# Altium PCB Moter_Control_2021-08-13.pcbdoc (part 1 of 2) (continued)
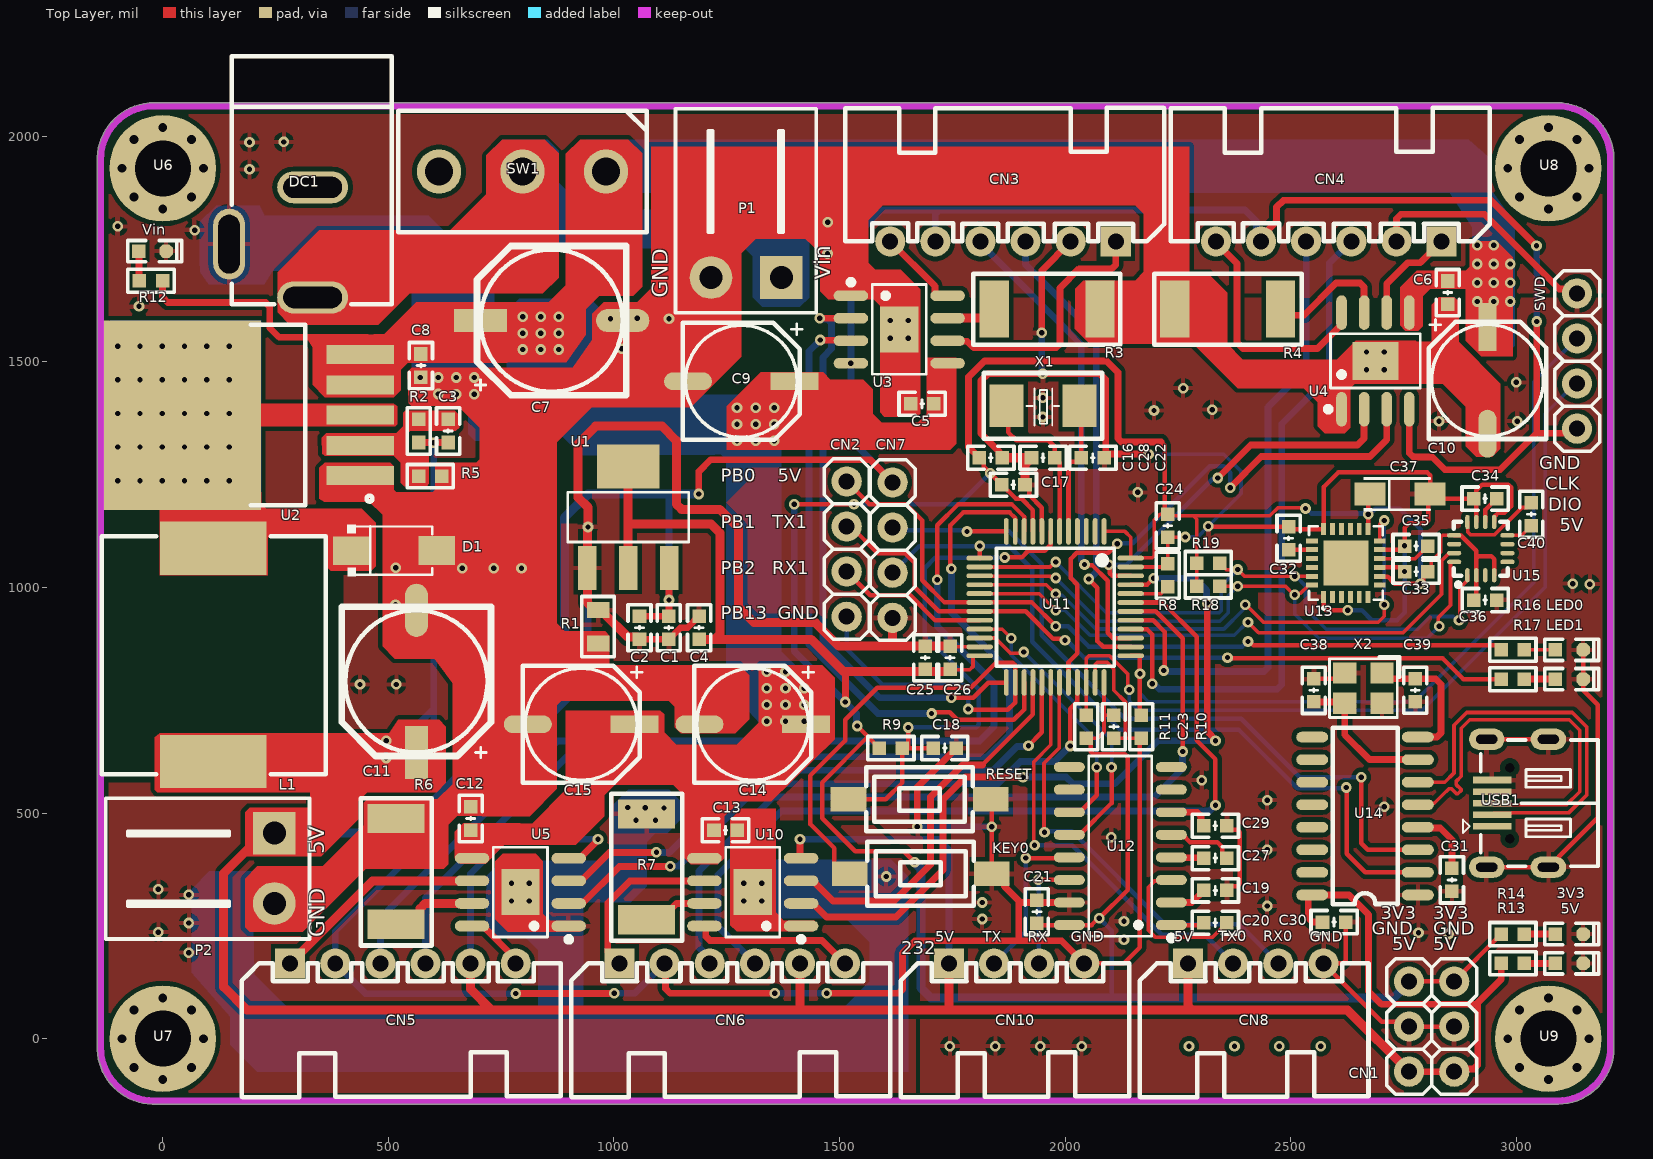
[diagram p0: Top Layer view]
## Part data
3V3 5V LED0 LED1 Vin: BOM_JLCPCB Part Class="Basic Part", BOM_Manufacturer=EVERLIGHT, BOM_Manufacturer Part=19-217/BHC-ZL1M2RY/3T, BOM_Supplier=LCSC, BOM_Supplier Part=C72041, spicePre=L, spiceSymbolName=19-217/BHC-ZL1M2RY/3T
C1 C18 C19 C20 C21 C23 C24 C25 C27 C29 C30 C31 C33 C35 C36: BOM_JLCPCB Part Class="Basic Part", BOM_Manufacturer=YAGEO, BOM_Manufacturer Part=CC0603KRX7R9BB104, BOM_Supplier=LCSC, BOM_Supplier Part=C14663, nameAlias=Capacitance, spicePre=C, spiceSymbolName=CC0603KRX7R9BB104
C2 C4: BOM_JLCPCB Part Class="Extended Part", BOM_Manufacturer=SAMSUNG, BOM_Manufacturer Part=CL10A106MA8NRNC, BOM_Supplier=LCSC, BOM_Supplier Part=C96446, nameAlias=Capacitance, spicePre=C, spiceSymbolName=CL10A106MA8NRNC
C3: BOM_JLCPCB Part Class="Basic Part", BOM_Manufacturer=SAMSUNG, BOM_Manufacturer Part=CL10B333KB8NNNC, BOM_Supplier=LCSC, BOM_Supplier Part=C21117, nameAlias=Capacitance, spicePre=C, spiceSymbolName=CL10B333KB8NNNC
C5 C6 C12 C13 C40: BOM_JLCPCB Part Class="Basic Part", BOM_Manufacturer=SAMSUNG, BOM_Manufacturer Part=CL10B224KA8NNNC, BOM_Supplier=LCSC, BOM_Supplier Part=C21120, nameAlias=Capacitance, spicePre=C, spiceSymbolName=CL10B224KA8NNNC
C7 C11: library part 470uF, BOM_JLCPCB Part Class="Extended Part", BOM_Manufacturer=ROQANG, BOM_Manufacturer Part=RVT1H471M1213, BOM_Supplier=LCSC, BOM_Supplier Part=C90272, nameAlias=Capacitance, spicePre=C, spiceSymbolName=RVT1H471M1213
C8 C16: BOM_JLCPCB Part Class="Basic Part", BOM_Manufacturer=SAMSUNG, BOM_Manufacturer Part=CL10A105KB8NNNC, BOM_Supplier=LCSC, BOM_Supplier Part=C15849, nameAlias=Capacitance, spicePre=C, spiceSymbolName=CL10A105KB8NNNC
C9 C10 C14 C15: BOM_JLCPCB Part Class="Extended Part", BOM_Manufacturer=HONOR, BOM_Manufacturer Part=RVT1H101M0810, BOM_Supplier=LCSC, BOM_Supplier Part=C3352, nameAlias=Capacitance, spicePre=C, spiceSymbolName=RVT1H101M0810
C17: BOM_JLCPCB Part Class="Basic Part", BOM_Manufacturer=FH, BOM_Manufacturer Part=0603B103K500NT, BOM_Supplier=LCSC, BOM_Supplier Part=C57112, nameAlias=Capacitance, spicePre=C, spiceSymbolName=0603B103K500NT
C22 C28 C38 C39: BOM_JLCPCB Part Class="Basic Part", BOM_Manufacturer=SAMSUNG, BOM_Manufacturer Part=CL10C220JB8NNNC, BOM_Supplier=LCSC, BOM_Supplier Part=C1653, nameAlias=Capacitance, spicePre=C, spiceSymbolName=CL10C220JB8NNNC
C26 C34: BOM_JLCPCB Part Class="Basic Part", BOM_Manufacturer=SAMSUNG, BOM_Manufacturer Part=CL10A475KO8NNNC, BOM_Supplier=LCSC, BOM_Supplier Part=C19666, nameAlias=Capacitance, spicePre=C, spiceSymbolName=CL10A475KO8NNNC
C32: BOM_JLCPCB Part Class="Basic Part", BOM_Manufacturer=FH, BOM_Manufacturer Part=0603B222K500NT, BOM_Supplier=LCSC, BOM_Supplier Part=C1604, nameAlias=Capacitance, spicePre=C, spiceSymbolName=0603B222K500NT
C37: BOM_JLCPCB Part Class="Extended Part", BOM_Manufacturer=KEMET, BOM_Manufacturer Part=T491A104K035AT, BOM_Supplier=LCSC, BOM_Supplier Part=C122257, Contributor=LCSC, nameAlias=Capacitance, spicePre=C, spiceSymbolName=T491A104K035AT
CN1 CN3 CN4 CN5 CN6 CN7 CN8 CN10 SWD: BOM_JLCPCB Part Class="Extended Part", BOM_Manufacturer="HX(Zhejiang Yueqing Hongxing Elec)", BOM_Supplier=LCSC, Contributor=LCSC, spicePre=C
  CN1 CN3 CN4 CN5 CN6: BOM_Manufacturer Part=HX25003-6WAP, BOM_Supplier Part=C442330, spiceSymbolName=HX25003-6WAP
  CN7 CN8 CN10 SWD: BOM_Manufacturer Part=HX25035-4WAP, BOM_Supplier Part=C442385, spiceSymbolName=HX25035-4WAP
CN2: BOM_JLCPCB Part Class="Extended Part", BOM_Manufacturer=GEPU(歌普), BOM_Manufacturer Part=GP26-2520WV-4P, BOM_Supplier=LCSC, BOM_Supplier Part=C2681739, Contributor=LCSC, spicePre=H, spiceSymbolName=GP26-2520WV-4P
D1: BOM_JLCPCB Part Class="Extended Part", BOM_Manufacturer=TWGMC, BOM_Manufacturer Part=SS54, BOM_Supplier=LCSC, BOM_Supplier Part=C727065, Contributor=LCSC, spicePre=D, spiceSymbolName=SS54_C727065
DC1 SW1: BOM_JLCPCB Part Class="Extended Part", BOM_Manufacturer="XKB Enterprise", BOM_Supplier=LCSC, Contributor=LCSC
  DC1: BOM_Manufacturer Part=DC-005-5A-3.0, BOM_Supplier Part=C388625, spicePre=D, spiceSymbolName=DC-005-5A-3.0
  SW1: BOM_Manufacturer Part=SS-12D06L5, BOM_Supplier Part=C319015, spicePre=S, spiceSymbolName=SS-12D06L5
KEY0 RESET: BOM_JLCPCB Part Class="Extended Part", BOM_Manufacturer=BRIGHT, BOM_Manufacturer Part=TSA363G25-250B, BOM_Supplier=LCSC, BOM_Supplier Part=C354943, Contributor=LCSC, spicePre=S, spiceSymbolName=TSA363G25-250B
L1: BOM_JLCPCB Part Class="Extended Part", BOM_Manufacturer=Sunlord, BOM_Manufacturer Part=MWSA1206S-330MT, BOM_Supplier=LCSC, BOM_Supplier Part=C408530, Contributor=LCSC, nameAlias=Inductance, spicePre=L, spiceSymbolName=MWSA1206S-330MT
P1 P2: BOM_JLCPCB Part Class="Extended Part", BOM_Manufacturer=ReliaPro, BOM_Manufacturer Part=WJ126V-5.0-2P, BOM_Supplier=LCSC, BOM_Supplier Part=C8404, spicePre=P, spiceSymbolName=WJ126V-5.0-2P
R1: BOM_JLCPCB Part Class="Basic Part", BOM_Manufacturer=UniOhm, BOM_Manufacturer Part=0603WAF0000T5E, BOM_Supplier=LCSC, BOM_Supplier Part=C21189, nameAlias="Resistance (Ohms)", spicePre=R, spiceSymbolName=0603WAF0000T5E
R2: BOM_JLCPCB Part Class="Extended Part", BOM_Manufacturer=UniOhm, BOM_Manufacturer Part=0603WAF1052T5E, BOM_Supplier=LCSC, BOM_Supplier Part=C22855, nameAlias="Resistance (Ohms)", spicePre=R, spiceSymbolName=0603WAF1052T5E
R3 R4 R6 R7: BOM_JLCPCB Part Class="Extended Part", BOM_Manufacturer=UniOhm, BOM_Manufacturer Part=25121WF250LT4E, BOM_Supplier=LCSC, BOM_Supplier Part=C25467, nameAlias="Resistance (Ohms)", spicePre=R, spiceSymbolName=25121WF250LT4E
R5 R12: BOM_JLCPCB Part Class="Basic Part", BOM_Manufacturer=UniOhm, BOM_Manufacturer Part=0603WAF2001T5E, BOM_Supplier=LCSC, BOM_Supplier Part=C22975, nameAlias="Resistance (Ohms)", spicePre=R, spiceSymbolName=0603WAF2001T5E
R8 R9: BOM_JLCPCB Part Class="Basic Part", BOM_Manufacturer=UniOhm, BOM_Manufacturer Part=0603WAF1002T5E, BOM_Supplier=LCSC, BOM_Supplier Part=C25804, nameAlias="Resistance (Ohms)", spicePre=R, spiceSymbolName=0603WAF1002T5E
R10 R11: BOM_JLCPCB Part Class="Extended Part", BOM_Manufacturer=YAGEO, BOM_Manufacturer Part=RC0603FR-074K7L, BOM_Supplier=LCSC, BOM_Supplier Part=C99782, nameAlias="Resistance (Ohms)", spicePre=R, spiceSymbolName=RC0603FR-074K7L
R13 R14 R16 R17: BOM_JLCPCB Part Class="Basic Part", BOM_Manufacturer=UniOhm, BOM_Manufacturer Part=0603WAF5100T5E, BOM_Supplier=LCSC, BOM_Supplier Part=C23193, nameAlias="Resistance (Ohms)", spicePre=R, spiceSymbolName=0603WAF5100T5E
R18 R19: BOM_JLCPCB Part Class="Basic Part", BOM_Manufacturer=UniOhm, BOM_Manufacturer Part=0603WAF4701T5E, BOM_Supplier=LCSC, BOM_Supplier Part=C23162, nameAlias="Resistance (Ohms)", spicePre=R, spiceSymbolName=0603WAF4701T5E
U1: BOM_JLCPCB Part Class="Extended Part", BOM_Manufacturer="SLKORMICRO Elec.", BOM_Manufacturer Part=AMS1117-3.3, BOM_Supplier=LCSC, BOM_Supplier Part=C426566, Contributor=LCSC, spicePre=U, spiceSymbolName=AMS1117-3.3_C426566
U2: BOM_JLCPCB Part Class="Extended Part", BOM_Manufacturer=XLSEMI, BOM_Manufacturer Part=XL4005E1, BOM_Supplier=LCSC, BOM_Supplier Part=C73332, spicePre=U, spiceSymbolName=XL4005E1
U3 U4 U5 U10: BOM_JLCPCB Part Class="Extended Part", BOM_Manufacturer=ALLEGRO, BOM_Manufacturer Part=A4950ELJTR-T, BOM_Supplier=LCSC, BOM_Supplier Part=C82404, spicePre=U, spiceSymbolName=A4950ELJTR-T
U11: BOM_Manufacturer=GigaDevice(兆易创新), BOM_Manufacturer Part=GD32F303CGT6, BOM_Supplier=LCSC, BOM_Supplier Part=C2835084, Contributor=LCSC, spicePre=U, spiceSymbolName=GD32F303CGT6
U12: BOM_JLCPCB Part Class="Extended Part", BOM_Manufacturer=HGSEMI, BOM_Manufacturer Part=SP3232EIM/TR, BOM_Supplier=LCSC, BOM_Supplier Part=C519088, Contributor=LCSC, spicePre=U, spiceSymbolName=SP3232EIM/TR
U13: BOM_JLCPCB Part Class="Basic Part", BOM_Manufacturer=InvenSense, BOM_Manufacturer Part=MPU-6050, BOM_Supplier=LCSC, BOM_Supplier Part=C24112, sourceId=1T5FDZYC8, spicePre=U, spiceSymbolName=MPU-6050_C24112, timeStamp=1462265206
U14: BOM_JLCPCB Part Class="Basic Part", BOM_Manufacturer=WCH, BOM_Manufacturer Part=CH340G, BOM_Supplier=LCSC, BOM_Supplier Part=C14267, spicePre=U, spiceSymbolName=CH340G, timeStamp=1468327462
U15: BOM_JLCPCB Part Class="Extended Part", BOM_Manufacturer=QST, BOM_Manufacturer Part=QMC5883L-TR, BOM_Supplier=LCSC, BOM_Supplier Part=C192585, Contributor=LCSC, spicePre=U, spiceSymbolName=QMC5883L-TR
USB1: BOM_JLCPCB Part Class="Extended Part", BOM_Manufacturer=韩国韩荣, BOM_Manufacturer Part=U-M-M5DS-W-5, BOM_Supplier=LCSC, BOM_Supplier Part=C2689963, Contributor=LCSC, spicePre=U, spiceSymbolName=U-M-M5DS-W-5_C2689963
X1: BOM_JLCPCB Part Class="Basic Part", BOM_Manufacturer=YXC, BOM_Manufacturer Part=X50328MSB2GI, BOM_Supplier=LCSC, BOM_Supplier Part=C115962, nameAlias=Frequency, spicePre=X, spiceSymbolName=X50328MSB2GI
X2: BOM_JLCPCB Part Class="Basic Part", BOM_Manufacturer=YXC, BOM_Manufacturer Part=X322512MSB4SI, BOM_Supplier=LCSC, BOM_Supplier Part=C9002, nameAlias=Frequency, spicePre=X, spiceSymbolName=X322512MSB4SI
U6 U7 U8 U9: Contributor=xdyewu, spicePre=U, spiceSymbolName=Fix

## Via types
v1: diameter 23.62, hole 11.81, Top Layer to Bottom Layer, tented both sides, 194 vias
v2: diameter 19.68, hole 11.81, Top Layer to Bottom Layer, 30 vias
v3: diameter 23.62, hole 11.81, Top Layer to Bottom Layer, tented bottom, 8 vias

## Nets (pads, with @x,y where several pads share a name; then routed paths per layer and width w, separated by ;. In a path a pad name is that pad's centre, name@x,y a point inside that pad or via, vN(x,y) a via of type N, cw(c..) or ccw(c..) an arc to the next point about the centre after c; other vN are vias at no path point)
3V3: C4.2 C16.1 C17.1 C21.2 C23.2 C24.2 C25.2 C26.2 C33.2 C36.2 C37.1 CN1.5 CN1.6 R9.2 R11.2 R14.2 R18.1 R19.1 U1.2 U1.4 U11.1 U11.9 U11.24 U11.36 U11.48 U12.16 U13.8 U13.13 U15.2 U15.4 U15.13 | length 8551
  Top Layer w8: C26.2@1743.69,817.59 1788.54,817.59 1795.68,824.73 1795.68,847.45 1796.9,848.67 U11.24@1810.48,848.67 ; R11.2@2046.79,665.75 2071.9,665.75 2086.07,679.92 2086.07,716.93 ; U11.36@2086.07,789.62 2086.07,716.93 ; U11.1@2086.07,1124.25 2132.42,1124.25 2145.12,1111.55 U11.48@2145.12,1065.2 2145.62,1065.7 2193.02,1065.7 2197.71,1070.39 2197.71,1149.95 2210.27,1162.52 C24.2@2227.21,1162.52 2230.85,1158.88 2283.71,1158.88 ; C23.2@2107.83,716.93 2086.07,716.93 ; R18.1@2291.61,1002.38 R19.1@2291.57,1054.16 R19.1@2291.57,1054.16 2291.57,1151.02 2283.71,1158.88 ; v1@2534.02,1177.03 2471.73,1177.03 2453.57,1158.88 2283.71,1158.88 ; C33.2@2803.39,1035.22 2811.6,1043.43 2811.6,1057.53 2832.67,1078.6 2832.67,1111.07 2837.36,1115.76 U15.13@2862.03,1115.69
  Top Layer w10: v1(1399.59,1184.38) v1(1531.81,1184.38) ; v1@1539.33,692.95 1563.74,668.54 ; R9.2@1588.14,644.14 1563.74,668.54 ; v1@1666.84,390.91 1642.48,415.26 1534.93,415.26 1461.24,488.95 1461.24,567.8 1561.99,668.54 1563.74,668.54 ; C16.1@1809.71,1287.56 1819.71,1277.56 1819.71,1267.56 C17.1@1859.71,1227.56 1890.94,1196.33 1903.39,1196.33 1928.59,1171.13 U11.9@1928.59,1124.25 ; C21.2@1937.2,255.75 1941.02,251.93 2058.46,251.93 2073.46,266.93 v1(2075.67,266.93) 2138.36,329.62 2138.36,624.7 2132.5,630.55 2062.65,630.55 2056.79,636.41 2056.79,655.75 R11.2@2046.79,665.75 ; 2212.64,1322.75 2220.2,1315.19 2220.2,1169.52 C24.2@2227.21,1162.52 ; U13.13@2671.42,1129.39 U13.13@2671.42,1129.39 2671.36,1162.12 v1(2671.3,1162.18) 2671.3,1202.41 C37.1@2675.82,1206.93 ; U13.8@2697.31,1024.77 2697.82,1024.26 2714.68,1024.26 2730.61,1008.33 2787.53,1008.33 2793.39,1014.19 2793.39,1025.22 C33.2@2803.39,1035.22 ; CN1.6@2762.2,126.93 CN1.5@2862.2,126.93 ; U15.13@2862.03,1115.69 2876.96,1115.69 2911.24,1081.41 2911.24,1064.94 ; CN1.5@2862.2,127.52 R14.2@2966.62,231.93 ; C36.2@2905.34,972.12 2911.24,978.03 U15.2@2911.24,1027.11 2911.24,1064.94 ; U15.4@2950.61,1027.11 2950.61,1063.1 2944.76,1068.96 2915.26,1068.96 2911.24,1064.94
  Top Layer w15: v1(1512.2,746.13) 1513.31,747.24 1513.31,813.88 ; C16.1@1809.71,1287.56 1785.64,1311.63 1785.64,1466.99 1820.9,1502.25 2091.53,1502.25 2116.82,1476.96 2116.82,1330.65 2124.71,1322.75 2212.64,1322.75
  Top Layer w20: U1.2@1031.54,1043.36 1031.54,1140.56 ; U1.4@1031.54,1268.36 1031.54,1140.56 ; C4.2@1188.54,885.28 1223.43,885.28 ; C26.2@1744.84,818.73 1743.69,817.59 1739.99,813.88 1508.19,813.88 1436.79,885.28 1223.43,885.28 ; 1031.54,1140.56 1215.2,1140.56 1222.84,1132.93 1235.15,1120.62 1235.15,896.99 1223.43,885.28
  Bottom Layer w10: v1(1531.81,1184.38) 1765.21,1184.38 v1(1833.83,1252.99) ; v1(2075.67,266.93) 2102.79,239.81 2102.79,90 ; v1(2532.44,1175.27) 2533.86,1175.27 2545.11,1164.02 2669.46,1164.02 v1(2671.3,1162.18) 2674.98,1162.18 2687.39,1174.58 2741.69,1174.58 2787.46,1128.81 v1(2787.46,1008.6)
  Bottom Layer w15: v1@1399.34,1184.13 1399.34,858.99 1537.62,720.72 1537.62,694.87 v1(1539.27,693.22)
  Bottom Layer w20: v1(1666.77,391.17) 1666.77,390.19 1680,376.97 1680,113.04 1703.04,90 2102.79,90 2727.02,90 2762.2,125.18 CN1.6@2762.2,126.93
AGND: C5.1 C6.1 C7.2 C8.2 C9.2 C10.2 C11.2 C12.1 C13.1 C14.2 C15.2 D1.2 DC1.3 P1.2 P2.2 R1.1 R3.1 R4.1 R5.1 R6.1 R7.1 U2.1 U3.1 U3.9 U4.1 U4.9 U5.1 U5.9 U10.1 U10.9 Vin.2
  other v1: 57.78,190.59 -9.84,236.01 57.78,256.41 57.78,318.75 -9.84,330.88 1603.14,359.41 437.09,785.2 517.47,785.2 515.67,961.46 664.01,1042.7 733.17,1042.7 794.94,1042.7 516.61,1044.05 650.55,1428.34 690.45,1428.34 610.64,1428.89 570.74,1465.26 610.64,1465.26 650.55,1465.26 690.45,1465.26 1017.08,1529.23 992.27,1595.71 1121.75,1595.71 1051.3,1596.93 -52.77,1623.14 1473.17,1740.24 70.6,1791.93 -99.84,1800.63 1473.42,1809.81 192.2,1926.61 192.2,1986.77 268.09,1987.55
  other v3: 1048.89,483.88 1091.87,483.88 1110.82,511.28 1030.62,512.37 1069,511.82
D+: U14.5 USB1.3 | length 888.6
  Top Layer w8: U14.5@2781.5,518.54 2784.49,521.53 2817.72,521.53 2837.09,540.91 2849.82,553.63 2856.44,553.63 2867.2,542.88 2870.17,542.88 2877.1,549.81 2877.1,552.78 2866.34,563.53 2866.34,570.16 2877.78,581.59 2877.78,581.96 2877.78,688.25 2896.46,706.93 3117.2,706.93 3140.3,683.84 3140.3,547.52 3111.2,518.43 2949.96,518.43 USB1.3@2946.46,521.93
D-: U14.6 USB1.2 | length 892.3
  Top Layer w8: U14.6@2781.5,568.54 2834.64,568.54 2834.77,568.42 2841.39,568.42 2861.78,588.8 2861.78,694.88 2889.83,722.93 3123.83,722.93 3156.3,690.47 3156.3,540.89 3116.54,501.13 2989.47,501.13 2988.17,499.84 2949.96,499.84 USB1.2@2946.46,496.34
DGND: 3V3.2 5V.2 C1.2 C2.2 C4.1 C16.2 C17.2 C18.1 C19.1 C21.1 C22.1 C23.1 C24.1 C25.1 C26.1 C28.1 C29.2 C30.2 C31.2 C32.2 C33.1 C34.2 C35.1 C36.1 C37.2 C38.1 C39.2 CN1.3 CN1.4 CN3.2 CN4.2 CN5.2 CN6.2 CN7.4 CN8.4 CN10.4 KEY0.1 LED0.2 LED1.2 R1.2 R8.2 R10.2 RESET.1 SWD.4 U1.1 U11.8 U11.23 U11.35 U11.47 U12.15 U13.1 U13.9 U13.11 U13.18 U14.1 U15.9 U15.11 USB1.4 USB1.5 USB1.6 X2.2 X2.4 | length 12594.6
  Top Layer w8: C26.1@1744.84,868.36 U11.23@1810.48,868.36 ; U11.35@2066.38,789.62 2066.38,829.38 2071.06,834.07 2092.86,834.07 2107.79,819.14 2107.79,772.03 2133.69,746.13 2133.69,665.75 ; C23.1@2107.83,665.75 2133.69,665.75 ; U11.47@2145.12,1045.51 2200.94,1045.51 2220.2,1045.52 R8.2@2227.21,1052.52 C24.1@2227.21,1111.34 2266.2,1111.34 v1@2266.42,1111.55 ; R10.2@2168.88,665.75 2133.69,665.75
  Top Layer w10: RESET.1@1834.68,530.55 1837.16,528.07 KEY0.1@1837.16,365.55 1848.87,365.55 KEY0.1@1871.04,343.39 ; C17.2@1910.89,1227.56 1919.92,1218.53 1919.92,1205.38 1948.27,1177.03 U11.8@1948.27,1124.25 ; C21.1@1932.16,301.88 C21.1@1937.2,306.93 C21.1@1942.2,301.93 ; CN10.4@2042.2,166.93 2130.22,166.93 2165.61,202.33 2165.61,662.48 R10.2@2168.88,665.75 ; v1@2317.2,1135.21 2317.81,1134.61 C32.2@2495.03,1134.61 ; C19.1@2358.39,328.6 2367.16,337.37 2380.82,337.37 2386.68,343.23 2386.68,457.3 2380.82,463.16 2367.16,463.16 C29.2@2358.39,471.93 ; C32.2@2498.76,1138.34 2507.71,1129.39 U13.18@2572.99,1129.39 2572.99,1222.88 2605.12,1255 2802.73,1255 2808.59,1249.14 C37.2@2808.59,1206.93 2818.4,1197.12 C34.2@2905.03,1197.12 C34.2@2911.24,1203.33 ; C38.1@2550.86,797.58 2606.66,797.58 X2.2@2619.53,810.45 ; U13.1@2572.99,979.2 2572.99,955.17 2578.85,949.31 v1(2625.87,949.31) ; C30.2@2621.45,258.54 2621.45,172.79 2615.6,166.93 CN8.4@2572.2,166.93 2701.31,37.82 2751.31,37.82 CN1.4@2762.2,26.93 CN1.3@2862.2,26.93 ; U13.9@2697.31,1044.45 2742.97,1044.45 C33.1@2752.2,1035.22 ; U13.11@2697.31,1083.82 2746.19,1083.82 C35.1@2747.03,1082.99 ; v3(2752.14,1092.2) 2752.14,1132.11 2762.51,1142.49 2799.26,1142.49 2805.12,1148.34 C37.2@2805.12,1203.45 ; U15.11@2911.24,1145.22 C34.2@2911.24,1203.33 ; USB1.6@2934.25,380.2 USB1.6@3070.87,380.2 3076.54,380.2 3093.74,397.4 3093.74,403.07 3180,489.33 3180,740.16 3147.8,772.36 LED1.2@3147.8,796.93 ; USB1.6@2934.25,663.66 USB1.6@3070.87,663.66 ; U15.9@2950.61,1145.22 2950.61,1156.68 2960.16,1166.23 2974.61,1166.23 2988.17,1179.8 2988.17,1222.36 2982.31,1228.22 2924.23,1228.22 2911.24,1215.24 C34.2@2911.24,1203.33 ; LED0.2@3147.8,861.93 LED1.2@3147.8,796.93 ; LED1.2@3153.22,791.5 LED1.2@3147.8,796.93
  Top Layer w15: v1(782.14,100.11) 1000.17,100.11 v1(1000.59,100.54) ; C2.2@1056.54,885.28 C1.2@1121.54,885.28 1147.13,910.87 1162.95,910.87 C4.1@1188.54,936.46 ; CN6.2@1112.2,166.93 1114.22,164.92 1114.22,110.96 1124.64,100.54 v1(1356.54,100.54) ; v1(1471.2,100.54) 1630.54,100.54 1639.33,109.33 1639.33,189.64 1666.77,217.08 1897.19,217.08 ; v1@1672.2,471.37 1672.2,557.61 C18.1@1758.73,644.13 ; KEY0.1@1837.16,365.55 1825.46,353.84 1865.08,344.75 1865.08,337.63 1900.83,301.88 C21.1@1932.16,301.88 ; C16.2@1860.89,1287.56 1853.39,1295.06 1853.39,1301.66 1813.62,1341.44 1813.62,1458.62 1828.52,1473.52 1948.2,1473.52 2077.2,1473.52 2089.83,1460.9 C22.1@2089.83,1295.62 ; 1897.19,305.52 1897.19,217.08 ; C21.1@1942.2,301.93 U12.15@2009.11,301.93 ; v1@1948.27,1564.05 1948.27,1702.99 CN3.2@2012.2,1766.93 ; CN10.4@2042.2,166.93 1992.05,217.08 1897.19,217.08 ; C22.1@2086.9,1287.37 2095.15,1295.62 v1(2184.66,1295.62) v1@2186.31,1293.97 ; CN4.2@2734.07,1766.93 2734.07,1817.3 2744.03,1827.26 2929.36,1827.26 3095.02,1661.59 3124.84,1661.59 SWD.4@3134.51,1651.93
  Top Layer w20: C2.2@1056.54,885.28 1051.54,890.28 1030.64,890.28 979.71,941.21 979.71,942.94 972.21,950.44 957.21,950.44 940.99,966.66 U1.1@940.99,1043.36 941.68,1044.05 941.68,1133.44 v1(942.37,1134.13) 942.37,1177.38 920.32,1199.43 920.32,1318.47 959.37,1357.52 1106.43,1357.52 1138.34,1325.62 1138.34,1235.21 1138.47,1235.08 1138.47,1184.68 1150.19,1172.97 1234.18,1172.97 1276.02,1131.12 1276.02,956.56 1310.49,922.09 1446.43,922.09 1498.25,870.28 1617.59,870.28 ; CN7.4@1617.59,932.89 1617.59,870.28 ; C26.1@1744.84,869.92 1744.48,870.28 1617.59,870.28 ; C16.2@1860.89,1287.56 C28.1@1925.3,1287.56 1910.89,1273.15 C17.2@1910.89,1227.56
  Bottom Layer w8: v1(2184.66,1295.62) 2351.52,1295.62 2389.57,1257.56 2389.57,1207.92 v1(2317.14,1135.48) 2293.48,1111.82 v1(2266.35,1111.82)
  Bottom Layer w10: v1(2625.87,949.31) 2657.73,949.31 2679.65,927.4 2735.42,927.4 2752.14,944.12 v3(2752.14,1035.49) v3(2752.14,1092.2)
  Bottom Layer w15: v1@782.2,99.84 449.29,99.84 CN5.2@382.2,166.93 382.2,238.09 942.37,798.26 v1(942.37,1134.13) ; v1(1000.59,100.54) 1045.82,100.54 CN6.2@1112.2,166.93 ; v1(1356.54,100.54) v1(1471.2,100.54) ; v1(1672.14,469.84) v1(1837.1,469.84) ; v1@1948.2,1473.79 v1(1948.2,1564.32)
  other v1: 1744.48,-16.54 1845.21,-16.54 1944.51,-16.54 2036.48,-16.54 2130.22,219.07 2849.62,232.13 2783.12,234.93 2130.22,260.5 1815.94,265.38 2447.66,294.13 1815.94,301.93 2447.66,419.12 2101.9,446.3 2707.2,514.43 2447.8,528.6 2302.52,573.11 3162.8,1007.45 3124.78,1008.6 2160.86,1211.03 2828.39,1368.79 3001.73,1368.79 1950.3,1377.91 2196.81,1392.43 2325.73,1394.1 1950.3,1420.39 2261.35,1441.93 3000,1454.63 1950.3,1473.79
M1_1: CN3.1 U3.6 | length 579.7
  Top Layer w15: U3.6@1739.31,1546.93 1740.61,1545.63 1782.95,1545.63 1797.21,1531.36 1979.75,1531.36 1988.54,1540.15 1988.54,1664.09 2031.02,1706.56 2103.42,1706.56 2112.2,1715.35 CN3.1@2112.2,1766.93
M1_2: CN3.6 U3.8 | length 186.7
  Top Layer w15: CN3.6@1612.2,1766.93 1711.29,1667.85 1711.29,1650.95 1715.31,1646.93 U3.8@1739.31,1646.93
M2_1: CN4.1 U4.6 | length 223.8
  Top Layer w15: U4.6@2712.51,1609.36 2712.51,1672.55 2759.8,1719.84 2786.98,1719.84 CN4.1@2834.07,1766.93
M2_2: CN4.6 U4.8 | length 528.8
  Top Layer w15: CN4.6@2334.07,1766.93 2334.07,1764.69 2380.52,1718.24 2380.52,1543.36 2394.04,1529.84 2559.36,1529.84 2612.51,1583 U4.8@2612.51,1609.36
M3_1: CN5.1 U5.6 | length 478.9
  Top Layer w20: CN5.1@282.2,166.93 465.05,349.77 U5.6@685.41,349.77
M3_2: CN5.6 U5.8 | length 137
  Top Layer w15: U5.8@685.41,249.77 709.41,249.77 782.2,176.98 CN5.6@782.2,166.93
M4_1: CN6.1 U10.6 | length 379.1
  Top Layer w15: CN6.1@1012.2,166.93 986.28,192.85 986.28,300.94 1035.12,349.77 U10.6@1200.41,349.77
M4_2: CN6.6 U10.8 | length 357.8
  Top Layer w15: U10.8@1200.41,249.77 1203.54,246.64 1203.54,226.68 1212.33,217.89 1461.24,217.89 CN6.6@1512.2,166.93
Net3V3_1: 3V3.1 R14.1 | length 68.8
  Top Layer w15: R14.1@3017.8,231.93 3V3.1@3086.61,231.93
Net5V_1: 5V.1 R13.1 | length 68.8
  Top Layer w15: R13.1@3017.8,166.93 5V.1@3086.61,166.93
NetC3_1: C3.1 R2.2 R5.2 U2.2
NetC18_2: C18.2 R9.1 RESET.2 U11.7 | length 1211.7
  Top Layer w10: RESET.2@1519.72,530.55 1602.08,530.55 1639.33,567.8 R9.1@1639.33,644.14 R9.1@1651.88,644.14 ; v1(1651.88,689.83) R9.1@1651.88,644.14 ; C18.2@1707.55,644.13 R9.1@1651.88,644.14 ; v1(1865.8,1066.63) 1903.39,1066.63 1918.18,1081.41 1954.65,1081.41 1967.84,1094.6 1967.84,1124.13 U11.7@1967.96,1124.25
  Bottom Layer w10: v1(1651.88,689.83) 1802.61,689.83 1808.74,695.96 1808.74,774.43 1688.54,894.63 1688.54,1042.7 1712.2,1066.36 v1@1865.87,1066.36
NetC19_2: C19.2 U12.2 | length 83
  Top Layer w15: U12.2@2235.3,301.93 2280.54,301.93 C19.2@2307.2,328.6
NetC20_1: C20.1 U12.1 | length 74
  Top Layer w10: U12.1@2235.3,251.93 2302.2,251.93 C20.1@2307.2,256.93
NetC20_2: C20.2 U12.3 | length 347.7
  Top Layer w8: U12.3@2235.3,351.93 2232.93,349.56 2197.78,349.56 2183.88,335.67 2183.88,240.91 2200.35,224.43 2325.88,224.43 C20.2@2358.39,256.93
NetC27_1: C27.1 U12.4 | length 72.6
  Top Layer w15: U12.4@2235.3,401.93 2236.13,401.1 2306.37,401.1 C27.1@2307.2,400.26
NetC27_2: C27.2 U12.5 | length 152.9
  Top Layer w10: U12.5@2235.3,451.93 2260.22,451.93 2276.61,435.53 2337.53,435.53 2348.39,424.67 2348.39,410.26 C27.2@2358.39,400.26
NetC29_1: C29.1 U12.6 | length 93.1
  Top Layer w15: U12.6@2235.3,501.93 2292.15,501.93 2300.93,493.14 2300.93,478.2 C29.1@2307.2,471.93
NetC31_1: C31.1 U14.4 | length 150.5
  Top Layer w15: U14.4@2781.5,468.54 2783.15,466.89 2831.21,466.89 2857.2,440.91 C31.1@2857.2,377.52
NetC32_1: C32.1 U13.20 | length 55
  Top Layer w10: C32.1@2495.03,1090.89 2502.1,1083.82 U13.20@2547.11,1083.82
NetC34_1: C34.1 U15.10 | length 62.4
  Top Layer w10: U15.10@2930.92,1145.22 2930.92,1171.83 C34.1@2956.21,1197.12
NetC35_2: C35.2 U13.10 | length 117.6
  Top Layer w8: U13.10@2697.31,1064.14 2775.6,1064.14 2792.39,1080.93 C35.2@2803.39,1091.93
NetC38_2: C38.2 U14.7 X2.3 | length 324.6
  Top Layer w15: C38.2@2550.86,746.4 2616.65,746.4 X2.3@2619.53,743.52 2619.53,673.54 2674.53,618.54 U14.7@2781.5,618.54
NetC39_1: C39.1 U14.8 X2.1 | length 304.4
  Top Layer w15: X2.1@2702.2,810.45 2702.2,809.78 2714.21,797.78 C39.1@2775.86,797.78 2820.58,797.78 2832.73,785.63 2832.73,677.33 2823.94,668.54 U14.8@2781.5,668.54
NetC40_1: C40.1 U15.8 | length 61.3
  Top Layer w8: U15.8@2980.14,1115.69 3011.83,1115.69 C40.1@3032.8,1136.66
NetC40_2: C40.2 U15.12 | length 195.4
  Top Layer w8: U15.12@2891.55,1145.22 2891.91,1144.87 2891.91,1123.07 2898.38,1116.6 2951.64,1116.6 3012.35,1177.32 3022.27,1177.32 C40.2@3032.8,1187.84
NetD1_1: D1.1 L1.2 U2.3 U2.6
  other v2: -99.84,1236.93 -50.47,1236.93 -1.09,1236.93 48.28,1236.93 97.66,1236.93 147.04,1236.93 -99.84,1311.35 -50.47,1311.35 -1.09,1311.35 48.28,1311.35 97.66,1311.35 147.04,1311.35 -99.84,1385.78 -50.47,1385.78 -1.09,1385.78 48.28,1385.78 97.66,1385.78 147.04,1385.78 -99.84,1460.2 -50.47,1460.2 -1.09,1460.2 48.28,1460.2 97.66,1460.2 147.04,1460.2 -99.84,1534.62 -50.47,1534.62 -1.09,1534.62 48.28,1534.62 97.66,1534.62 147.04,1534.62
NetLED0_1: LED0.1 R16.1 | length 68.8
  Top Layer w8: R16.1@3017.8,861.93 LED0.1@3086.61,861.93
NetLED1_1: LED1.1 R17.1 | length 68.8
  Top Layer w15: R17.1@3017.8,796.93 LED1.1@3086.61,796.93
NetR3_2: R3.2 U3.7 | length 111.9
  Top Layer w20: U3.7@1739.31,1596.93 1822.95,1596.93 R3.2@1842.95,1616.93
NetR4_2: R4.2 U4.7 | length 280.6
  Top Layer w15: R4.2@2477.2,1616.93 2490.71,1603.42 2529.1,1603.42 2600.33,1674.65 2653.73,1674.65 2662.51,1665.86 U4.7@2662.51,1609.36
NetR6_2: R6.2 U5.7 | length 189.1
  Top Layer w20: R6.2@517.2,258.82 547.72,258.82 570.2,281.3 570.2,288.06 581.91,299.77 U5.7@685.41,299.77
NetR7_2: R7.2 U10.7 | length 143.1
  Top Layer w15: R7.2@1072.2,263.82 1102.72,263.82 1138.67,299.77 U10.7@1200.41,299.77
NetR8_1: R8.1 U11.44 | length 88.3
  Top Layer w8: U11.44@2145.12,986.46 2212.33,986.46 R8.1@2227.21,1001.34
NetR12_1: R12.1 Vin.1 | length 66.6
  Top Layer w15: Vin.1@-53.8,1745.48 -52.77,1744.46 -52.77,1680.78 R12.1@-51.75,1679.76
OSC_IN: C22.2 U11.5 X1.2 | length 299.9
  Top Layer w10: U11.5@2007.33,1124.25 2007.33,1272.82 2013.19,1278.68 2027.03,1278.68 C22.2@2035.72,1287.37 2035.72,1398.45 X1.2@2031.6,1402.56
OSC_OUT: C28.2 U11.6 X1.1 | length 368.7
  Top Layer w10: X1.1@1870.18,1402.56 1873.28,1399.46 1873.28,1344.45 1891.43,1326.31 1962.65,1326.31 1976.48,1312.48 C28.2@1976.48,1287.56 1987.64,1276.4 U11.6@1987.64,1124.25
PA0/TIMER4_CH0: CN5.3 U11.10 | length 2391.1
  Top Layer w10: v1(1716.22,1017.04) 1716.22,1137.82 1763.4,1185 1881.06,1185 1908.78,1157.28 1908.78,1124.37 U11.10@1908.9,1124.25
  Bottom Layer w15: CN5.3@482.2,166.93 482.2,267.35 874.85,660 1810.48,660 1842.2,691.72 1842.2,788.46 1716.22,914.45 v1(1716.22,1017.04)